# Allegro board ADRV9371-N_PCBZ_Layout_RevB.brd (continued)
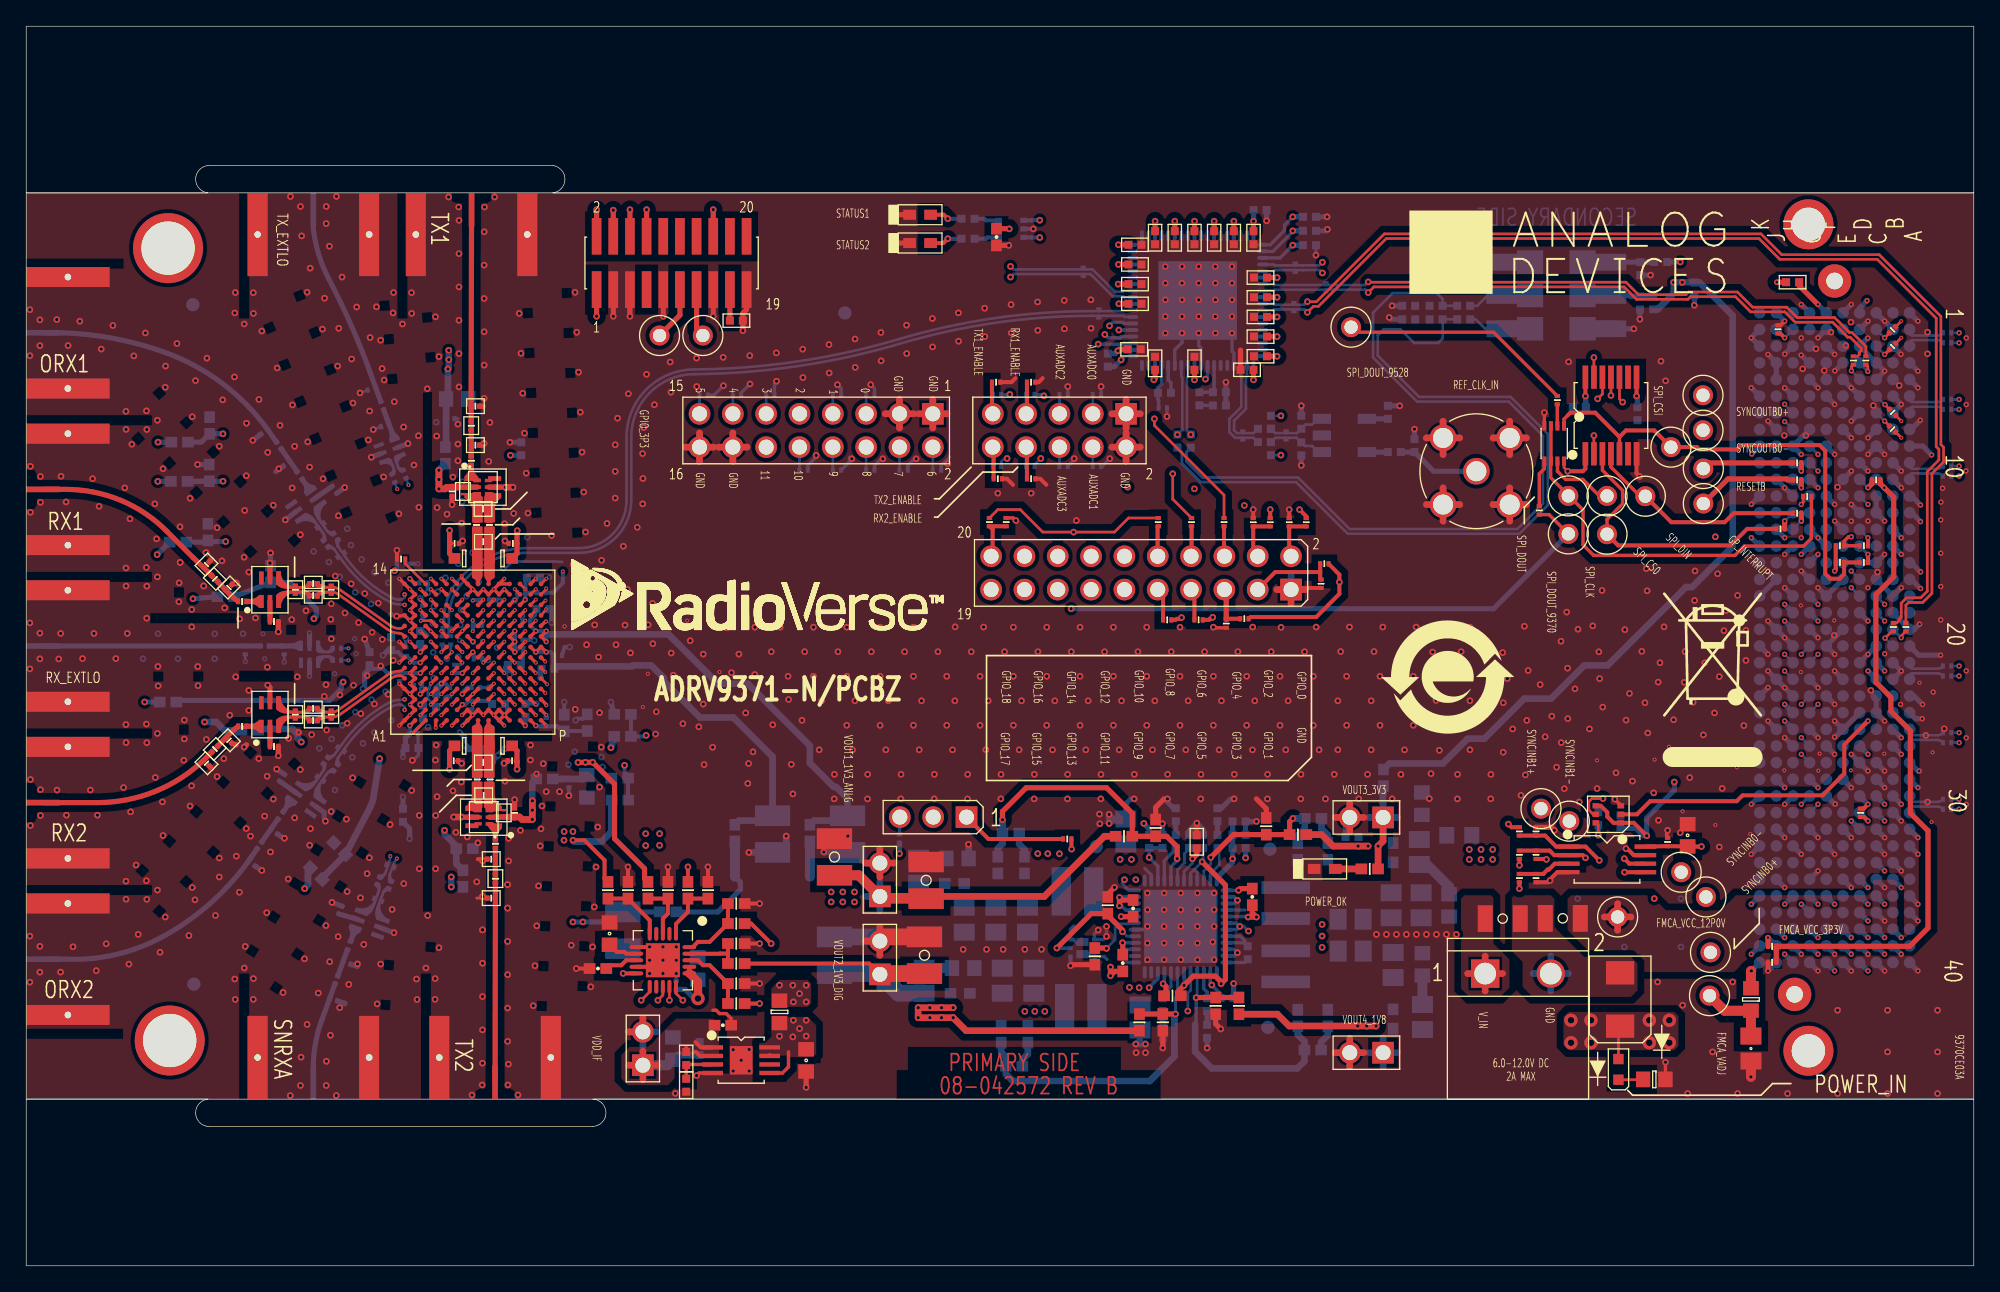
[diagram p0: board, top side]
## Routing (per net, layer and track width the routed paths; a pad name or vN(x,y) marks a point on that pad's centre or on a via; arc(x,y) is an arc through that point) (continued)
  BOTTOM w0.203: C517.2 v2(147.32,65.28)
UNNAMED_6_AD9370V2_I832_SERDO_3: length 127
  TOP w0.203: U101.P5 v6(39.7,44.32)
  L10_SIG w0.091: v6(39.7,44.32) 39.8,44.23 arc(39.96,44.12) 40.15,44.08 41.05,44.08 arc(47.4,43.31) 53.37,41.03 arc(58.24,39.17) 63.41,38.52 111.63,38.52 arc(120.66,40.32) 128.31,45.43 arc(130.63,46.95) 133.36,47.41 139.13,47.41 140.77,47.77 140.97,47.96 140.97,48.14 141.38,48.55 141.97,48.55 142.06,48.46 142.15,48.46 142.88,49.14 142.92,49.19 143.16,50.03 143.37,50.23 143.37,50.72 143.59,51.49 143.59,59.14 arc(144.28,62.59) 146.24,65.49 146.3,65.55 arc(146.6,65.75) 146.95,65.82 arc(147.16,65.89) v2(147.32,66.04)
  BOTTOM w0.203: C518.2 v2(147.32,66.04)
UNNAMED_6_AD9370V2_I832_SERDO_4: length 119.9
  TOP w0.203: 142.47,63.56 v6(142.91,63.12)
  TOP w0.254: v6(38.84,44.38) U101.N5
  L10_SIG w0.091: v6(142.91,63.12) arc(142.82,63.51) 142.47,63.71 arc(142.09,63.58) 141.93,63.22 arc(141.95,63.02) 142.01,62.83 142.21,62.36 arc(142.36,61.92) 142.4,61.46 142.4,54.5 arc(141.92,52.46) 140.58,50.86 arc(138.86,49.97) 136.95,49.65 134,49.65 arc(128.57,48.75) 123.73,46.14 arc(118.02,43.07) 111.63,42.01 63.26,42.01 arc(57.63,42.34) 52.1,43.38 arc(47.03,44.33) 41.89,44.65 39.25,44.65 arc(39.01,44.57) v6(38.84,44.38)
UNNAMED_6_AD9370V2_I832_SERDO_5: length 119.9
  TOP w0.203: 142.47,64.83 v6(142.91,64.39)
  TOP w0.254: v6(38.84,45.18) U101.N6
  L10_SIG w0.091: v6(142.91,64.39) arc(142.81,64.07) 142.49,63.96 arc(141.92,63.77) 141.68,63.22 arc(141.7,62.97) 141.77,62.73 141.98,62.26 arc(142.11,61.87) 142.15,61.46 142.15,54.5 arc(141.69,52.58) 140.42,51.07 arc(138.78,50.21) 136.94,49.91 134,49.91 arc(128.49,48.99) 123.57,46.34 arc(117.94,43.31) 111.63,42.26 63.26,42.26 arc(57.67,42.59) 52.16,43.62 arc(47.07,44.58) 41.89,44.9 39,44.9 arc(38.84,44.99) v6(38.84,45.18)
UNNAMED_6_AD9370V2_I832_SERDO_6: length 127.4
  TOP w0.254: v6(38.84,43.58) U101.N4
  L10_SIG w0.091: v2(147.32,60.96) arc(147.17,60.8) 146.97,60.72 arc(145.49,59.87) 144.91,58.27 144.91,46.7 arc(144.36,45.37) 143.03,44.82 133.57,44.82 arc(130.67,44.33) 128.13,42.84 arc(120.44,38.25) 111.63,36.65 61.58,36.65 arc(55.3,37.57) 49.64,40.45 arc(45.52,42.57) 40.95,43.3 39.05,43.3 arc(38.88,43.39) v6(38.84,43.58)
  BOTTOM w0.203: C522.2 v2(147.32,60.96)
UNNAMED_6_AD9370V2_I832_SERDO_7: length 127.4
  TOP w0.254: v6(38.84,42.78) U101.N3
  L10_SIG w0.091: v2(147.32,60.2) arc(147.24,60.41) 147.02,60.47 arc(145.69,59.71) 145.16,58.27 145.16,46.7 arc(144.54,45.19) 143.03,44.56 133.56,44.56 arc(130.75,44.09) 128.3,42.64 arc(120.53,38.01) 111.63,36.4 61.58,36.4 arc(55.22,37.33) 49.49,40.25 arc(45.45,42.33) 40.95,43.05 39.36,43.05 arc(39.06,42.98) v6(38.84,42.78)
  BOTTOM w0.203: C521.2 v2(147.32,60.2)
UNNAMED_6_AD9370V2_I832_SERDOUT: length 123.3
  TOP w0.203: U101.P7 v6(39.56,46.05)
  L10_SIG w0.091: v2(147.32,71.12) arc(147.19,70.93) 146.98,70.85 146.7,70.85 arc(144.61,70.34) 143.04,68.87 arc(141.64,67.23) 139.84,66.05 arc(137.86,64.32) 137.12,61.79 137.12,54.15 arc(136.63,52.96) 135.45,52.47 133.77,52.47 arc(126.65,51.45) 120.11,48.47 arc(116.05,46.63) 111.63,46 55.5,46 arc(52.96,46.04) 50.42,45.99 arc(45.35,45.83) 40.28,45.78 40.05,45.78 arc(39.77,45.85) v6(39.56,46.05)
  BOTTOM w0.203: C516.2 v2(147.32,71.12)
UNNAMED_6_CN20PV2_I813_N6: length 4.1
  TOP w0.394: P504.11 49.82,72.47 TP502.1
UNNAMED_6_CN20PV2_I813_N7: length 3.7
  TOP w0.394: TP501.1 51.09,71.39 P504.13
UNNAMED_6_CN20PV2_I813_N9: length 2.4
  TOP w0.394: R525.2 P504.17
UNNAMED_6_CN20PV2_I814_N1: length 71.8
  TOP w0.305: v1(88.06,49.41) 87.96,49.31 87.68,49.31 87.6,49.23 R519.2
  TOP w0.394: P504.2 v1(43.47,80.51)
  L10_SIG w0.114: v1(43.47,80.51) 44.04,81.07 44.98,81.07 45.4,80.64 45.4,80.2 49.92,75.68 49.92,62.02 51.95,59.99 77.73,59.99 82.2,55.52 86.6,55.52 87.47,54.64 87.47,50 v1(88.06,49.41)
UNNAMED_6_CN20PV2_I814_N2: length 70.4
  TOP w0.203: R521.2 74.05,57.64 75.76,57.64 77.48,55.93 v1(79.83,55.93) 82.94,55.93 84.02,57 R520.2
  TOP w0.394: P504.4 v1(44.74,80.47)
  L10_SIG w0.114: v1(44.74,80.47) 44.74,79.9 46.55,78.09 46.55,64.11 46.55,64.11 46.55,63.68 46.55,63.68 46.55,63.49 50.56,59.48 74.69,59.48 78.24,55.93 v1(79.83,55.93)
UNNAMED_6_CN20PV2_I814_N3: length 68.8
  TOP w0.305: v1(90.43,49.43) 90.41,49.43 90.3,49.31 90.22,49.31 90.14,49.23 89.67,49.23
  TOP w0.394: P504.6 v1(46.01,80.51)
  L10_SIG w0.114: v1(90.43,49.43) 90.06,49.8 90.06,54.4 88.29,56.18 83.45,56.18 79.01,60.62 56.53,60.62 55.13,62.02 55.13,65.83 53.86,67.1 53.86,73.45 47.51,79.8 46.71,79.8 v1(46.01,80.51)
UNNAMED_6_CN20PV2_I814_N4: length 56.5
  TOP w0.203: R523.2 87.39,58.43 v1(87.39,60.37)
  TOP w0.394: P504.8 v1(47.28,80.51)
  L10_SIG w0.114: v1(47.28,80.51) 49.73,80.51 62.26,67.97 77.63,67.97 80.02,65.58 80.02,62.1 81.75,60.37 v1(87.39,60.37)
UNNAMED_6_CN20PV2_I814_N8: length 52
  TOP w0.203: v1(85.99,64.56) 85.99,64.05 91.29,58.75 R524.2
  TOP w0.394: P504.16 v1(52.36,80.51)
  L10_SIG w0.114: v1(52.36,80.51) 59.8,73.07 69.61,73.07 72.78,69.9 78.24,69.9 82.05,66.09 84.46,66.09 v1(85.99,64.56)
UNNAMED_7_AD7291_I1067_DCAP: length 2.6
  TOP w0.305: C651.1 44.46,22.91 45.35,22.91 45.73,23.29 U601.8
UNNAMED_7_AD7291_I1067_VIN0: length 5.2
  TOP w0.305: R602.1 R603.1 52.09,22.91 51.58,22.91 51.2,23.29 U601.18
UNNAMED_7_AD7291_I1067_VIN1: length 4.5
  TOP w0.305: R604.2 53.48,23.8 ; 53.48,23.8 R605.2 ; 53.48,23.8 52.89,23.8 52.88,23.79 U601.19
UNNAMED_7_AD7291_I1067_VIN2: length 5.2
  TOP w0.305: U601.20 50.79,24.29 51.19,24.69 52.09,24.69 R606.2 R607.2
UNNAMED_7_AD7291_I1067_VIN3: length 4.6
  TOP w0.305: R609.2 R608.2 50.43,26.98 49.52,26.06 U601.1
UNNAMED_7_AD7291_I1067_VIN5: length 4.4
  TOP w0.305: R610.2 R611.2 48.91,26.85 48.52,26.46 U601.3
UNNAMED_7_AD7291_I1067_VIN7: length 4.9
  TOP w0.305: R612.2 R613.2 47.52,26.33 U601.5
UNNAMED_7_AD7291_I1067_VREF: length 2.3
  TOP w0.305: C650.1 45.01,23.92 45.6,23.92 45.74,23.79 U601.7
UNNAMED_7_AD9370V2_I936_VCLKVCO: length 1.2
  TOP w0.254: v2(38.04,41.18) U101.M1
  BOTTOM w0.305: C644.1 38.06,41.2 v2(38.04,41.18)
UNNAMED_7_AD9370V2_I936_VDDABB: length 10.6
  TOP w0.254: v2(31.64,44.38) U101.E5
  L12_PWR w0.394: v2(31.64,44.38) 31.38,44.12 31.38,42.34 v4(33.03,40.69) v4(33.41,40.31) v4(33.41,39.7)
  BOTTOM w0.305: v2(31.64,44.38) 31.99,44.36 C606.1
  BOTTOM w0.394: v4(33.41,39.7) v4(33.41,40.31) v4(33.03,40.69)
  BOTTOM w0.508: R614.1 33.7,39.4 v4(33.41,39.7) ; C604.1 31.25,43.99 v2(31.64,44.38)
UNNAMED_7_AD9370V2_I936_VDDARXR: length 7.6
  TOP w0.254: U101.B1 v2(29.24,41.18)
  L12_PWR w0.394: v4(28.71,38.76) 28.71,37.51 28.1,36.9 28.1,36.34 v3(28.71,35.73)
  BOTTOM w0.305: v2(29.24,41.18) 29.23,41.17 C605.1
  BOTTOM w0.394: v4(28.71,38.76) 28.71,39.28 C603.1 28.9,40.23 C605.1 ; R615.1 v3(28.71,35.73)
UNNAMED_7_AD9370V2_I936_VRXVCOL: length 1.2
  TOP w0.254: U101.C8 v2(30.04,46.78)
  BOTTOM w0.305: C645.1 30.03,46.78 v2(30.04,46.78)
UNNAMED_7_AD9370V2_I936_VSNRXVC: length 0.8
  TOP w0.254: v2(30.04,42.78) U101.C3
  BOTTOM w0.508: v2(30.04,42.78) 30.04,42.78 C646.1
UNNAMED_7_AD9370V2_I936_VTXVCOL: length 13.7
  TOP w0.254: U101.F13 v6(32.44,51.58)
  L10_SIG w0.305: v6(32.44,51.58) 32.78,51.91 33.24,51.91 33.64,52.31
  L10_SIG w0.508: v1(36.9,61.78) 36.9,61.07 34.05,58.21 34.05,52.71 33.64,52.31
  BOTTOM w0.394: v1(36.9,61.78) C647.1
UNNAMED_8_ADP125_I911_ADJ: length 3.1
  TOP w0.254: R740.2 R739.1 50.34,15.34 U702.3
UNNAMED_8_ADP5054_I118_BST1: length 2
  TOP w0.394: C713.1 83.46,26.61 v1(83.45,26.62)
  BOTTOM w0.203: U701.32 v1(83.45,26.62)
UNNAMED_8_ADP5054_I118_BST2: length 1.9
  TOP w0.394: C715.2 83.58,24.6 v1(83.56,24.62)
  BOTTOM w0.254: U701.28 v1(83.56,24.62)
UNNAMED_8_ADP5054_I118_BST3: length 2
  TOP w0.394: C717.1 92.53,28.75 v1(92.4,28.62)
  BOTTOM w0.254: U701.1 v1(92.4,28.62)
UNNAMED_8_ADP5054_I118_BST4: length 1.7
  BOTTOM w0.254: U701.12 92.86,23.12 C719.1
UNNAMED_8_ADP5054_I118_COMP1: length 2.8
  BOTTOM w0.254: R704.2 87.62,31.76 86.74,30.88 86.74,30.09 86.75,30.08 U701.40
UNNAMED_8_ADP5054_I118_COMP2: length 2.2
  BOTTOM w0.254: R707.2 86.63,20.66 87.25,21.28 U701.20
UNNAMED_8_ADP5054_I118_COMP3: length 2.8
  BOTTOM w0.203: U701.47 90.25,29.83 90.27,29.85 90.27,29.89 90.94,30.56 90.94,31.7 R708.2
UNNAMED_8_ADP5054_I118_COMP4: length 2.1
  BOTTOM w0.254: R711.2 90,20.87 89.75,21.12 U701.15
UNNAMED_8_ADP5054_I118_DL1: length 5.3
  TOP w0.394: v1(82.33,24.19) 82.31,24.22 R718.2
  BOTTOM w0.203: U701.31 83.99,26.12 83.94,26.06 83.3,26.06 82.99,25.76 82.99,24.85 v1(82.33,24.19)
  BOTTOM w0.254: v1(82.33,24.19) 82.31,24.22 Q701.5
UNNAMED_8_ADP5054_I118_DL2: length 8.9
  TOP w0.394: v1(83.55,25.46) 83.55,25.59 82.43,26.71 R719.2 81.17,26.84 v1(78.55,24.22)
  BOTTOM w0.203: U701.29 83.9,25.12 v1(83.55,25.46)
  BOTTOM w0.254: Q701.2 v1(78.55,24.22)
UNNAMED_8_ADP5054_I118_EN1: length 48.1
  L5_SIG w0.394: v1(90.36,21.4) 90.36,21.95 90.81,22.4 92.21,22.4 94.5,24.68 94.5,30.53 93.1,31.92 91.58,31.92 91.07,31.42 91.07,30.91 90.18,30.02 86.69,30.02 v1(85.59,31.13) 84.92,31.79 82.68,31.79 81.23,30.34 72.34,30.34 69.13,33.55 P702.2
  BOTTOM w0.254: C711.2 91.03,20.73 v1(90.36,21.4) 90.25,21.51 U701.14 ; U701.39 86.25,30.46 v1(85.59,31.13) R705.2 R706.1
UNNAMED_8_ADP5054_I118_EN2: length 51.8
  TOP w0.305: P702.1 73.33,32.53 R702.2
  TOP w0.394: v1(86.65,21.5) 86.87,21.29 86.87,20.73 R703.1
  L5_SIG w0.394: v1(86.65,21.5) 86.65,21.04 85.84,20.23 83.12,20.23 80.78,22.57 80.78,23.03 77.1,26.72 69.61,26.72 66.92,29.41 64.58,29.41 63.64,30.35 63.64,34.08 65.8,36.25 69.62,36.25 P702.1
  BOTTOM w0.254: U701.21 86.75,21.6 v1(86.65,21.5)
UNNAMED_8_ADP5054_I118_EN3: length 35.8
  L5_SIG w0.394: v1(91.95,31.03) 91.95,30.14 91.07,29.26 85.73,29.26 84.75,30.24 82.43,30.24 81.45,29.26 71.53,29.26 P702.3
  BOTTOM w0.203: 90.94,29.76 90.94,29.64 90.75,29.44 U701.48
  BOTTOM w0.254: P702.3 66.6,34.2 R712.1
  BOTTOM w0.394: 90.94,29.76 91.95,30.77 v1(91.95,31.03) R709.2 R710.1 C712.2
UNNAMED_8_ADP5054_I118_FB1: length 37.9
  TOP w0.394: v1(74.41,34) 74.41,34.63 76.21,36.44 82.35,36.44 83.9,34.89 83.91,34.89 84.3,34.49 R716.1 R714.1 86.92,32.74 87.72,31.94 87.72,31.08 87.72,31.08 v1(87.72,31.03)
  L5_SIG w0.394: v1(87.72,31.03) 87.72,31.03 87.56,31.03 85.78,32.81 75.59,32.81 v1(74.41,34)
  BOTTOM w0.254: v1(87.72,31.03) 87.72,30.88 87.25,30.4 U701.41
  BOTTOM w0.508: v1(74.41,34) R715.1 74.41,32.17 74.05,31.81 R717.1
UNNAMED_8_ADP5054_I118_FB2: length 25.6
  TOP w0.394: R723.1 R720.2 v1(87.59,19.19)
  BOTTOM w0.203: v1(87.59,19.19) 87.59,20.43 87.75,20.59 U701.19
  BOTTOM w0.508: v1(87.59,19.19) 87.52,19.11 87.52,15.96 85.64,14.08 75.2,14.08 74.66,14.62 R721.1 74.66,15.91 74.31,16.27 R722.1
UNNAMED_8_ADP5054_I118_FB3: length 13
  TOP w0.394: v1(90.28,31.13) 92.02,32.87 R724.2 R727.1 96.29,33.85 v1(96.55,34.1)
  BOTTOM w0.203: U701.46 89.75,30.08 90.28,30.62 v1(90.28,31.13)
  BOTTOM w0.508: R726.1 96.91,32.78 97.45,33.31 R725.1 v1(96.55,34.1)
UNNAMED_8_ADP5054_I118_FB4: length 21.3
  TOP w0.394: v1(89.17,20.43) 89.18,20.45 R728.2 92.43,20.45 R731.1
  BOTTOM w0.203: v1(89.17,20.43) 89.25,20.52 U701.16
  BOTTOM w0.254: 89.09,18.4 89.17,18.48 v1(89.17,20.43)
  BOTTOM w0.508: R730.1 96.91,17.61 97.42,17.11 R729.1 97.42,15.58 96.89,15.05 90.36,15.05 89.09,16.32 89.09,18.4
UNNAMED_8_ADP5054_I118_PWRGD: length 31.5
  L5_SIG w0.508: v1(88.53,19.42) 87.39,20.56 87.39,21.76 86.62,22.53 84.59,22.53 83.63,23.48 81.6,23.48 77.18,27.91 71.05,27.91 67.54,31.42 v1(66.56,31.42)
  BOTTOM w0.203: U701.17 88.75,21.01 88.53,20.79 v1(88.53,19.42)
  BOTTOM w0.394: v1(66.56,31.42) R712.2
UNNAMED_8_ADP5054_I118_RT: length 2.8
  BOTTOM w0.203: U701.42 87.75,30.19 88.28,30.72 88.28,30.8 88.28,30.8 88.28,31.42 88.63,31.77 R713.1
UNNAMED_8_ADP5054_I118_SW11: length 6.4
  TOP w0.394: v1(83.32,27.44) v1(83.32,28.08) 83.53,27.88 C713.2
  BOTTOM w0.254: v1(83.32,28.08) 83.36,28.12 U701.35 ; U701.33 83.8,27.12 83.48,27.44 v1(83.32,27.44) ; Q701.PAD2 80,24.68 79.81,24.87 Q701.3 79.6,25.65 79.84,25.9
UNNAMED_8_ADP5054_I118_SW21: length 6.2
  TOP w0.394: C715.1 82.97,22.44 v1(82.64,22.11) v1(82.64,22.77)
  BOTTOM w0.254: 82.38,23.36 82.17,23.57 Q701.6 ; Q701.6 81.42,22.85 ; Q701.6 81.11,23.57 80.93,23.75 Q701.PAD1 ; U701.27 83.89,24.12 83.58,23.81 ; U701.25 83.86,23.12
UNNAMED_8_ADP5054_I118_SW31: length 4.7
  TOP w0.394: v1(93.13,26.58) v1(93.76,26.58) 93.45,26.9 C717.2
  BOTTOM w0.254: U701.4 92.87,27.12 ; U701.5 93.09,26.62 v1(93.13,26.58)
UNNAMED_8_ADP5054_I118_SW41: length 3.3
  BOTTOM w0.254: C719.2 93.07,24.38 ; 93.07,24.38 92.83,24.62 U701.9 ; 93.07,24.38 93.08,24.38 ; U701.8 92.53,25.12 92.9,24.75
UNNAMED_8_ADP5054_I118_VDD: length 2.9
  TOP w0.394: v1(88.89,31.03) 89.22,31.36 C703.2
  BOTTOM w0.203: v1(88.89,31.03) 88.89,30.7 88.25,30.06 U701.43
UNNAMED_8_CAP_I809_N2: length 2.1
  BOTTOM w0.762: C724.2 68.02,31.05 R732.1
UNNAMED_8_CAP_I814_N2: length 2.1
  BOTTOM w0.762: R733.1 68.45,22.69 C727.2
UNNAMED_8_CAP_I872_N2: length 2.2
  BOTTOM w0.762: R737.1 C731.2
UNNAMED_8_CAP_I936_N2: length 3.5
  BOTTOM w0.762: R734.1 108.45,28.9 106.75,30.59 C729.2
UNNAMED_8_CAP_I967_N1: length 2
  BOTTOM w0.508: C720.1 99.2,17.56 98.69,17.06 R729.2
UNNAMED_8_CAP_I970_N1: length 2.1
  BOTTOM w0.508: R725.2 98.72,33.31 99.2,32.83 C718.1
UNNAMED_8_CAP_I971_N1: length 2
  BOTTOM w0.508: R721.2 75.93,15.74 76.34,16.14 C716.1
UNNAMED_8_CAP_I974_N1: length 2
  BOTTOM w0.508: C714.1 76.09,31.74 75.68,32.14 R715.2
UNNAMED_8_CAP_I985_N2: length 1
  BOTTOM w0.381: C704.2 R704.1
UNNAMED_8_CAP_I986_N2: length 1
  BOTTOM w0.381: C706.2 R707.1
UNNAMED_8_CAP_I989_N2: length 1
  BOTTOM w0.394: R708.1 C708.2
UNNAMED_8_CAP_I990_N2: length 1
  BOTTOM w0.394: R711.1 C710.2
UNNAMED_8_CN2P_I1027_N1: length 5.3
  TOP w0.508: P701.1 112.53,22.27 ; P701.1 109.86,22.27 ; P701.1 111.2,20.94 ; P701.1 111.2,23.61
UNNAMED_8_DIOLED_I983_N: length 1.9
  TOP w0.203: R701.2 123.21,14.18 DS701.C
UNNAMED_8_DIOLED_I1004_P: length 2
  TOP w0.508: R735.2 DS702.A
UNNAMED_9_CAP_I337_N1: length 1.5
  TOP w0.203: v2(142.91,47.88) 142.91,48.02 C801.1
  BOTTOM w0.203: v2(142.91,47.88) P801.B20
UNNAMED_9_CAP_I338_N1: length 1.7
  TOP w0.203: C802.1 142.2,48.37 v2(141.67,47.84)
  BOTTOM w0.203: P801.B21 141.68,47.84
  BOTTOM w0.394: 141.68,47.84 v2(141.67,47.84)
UNNAMED_9_CAP_I852_N2: length 1.5
  TOP w0.203: C806.2 139.12,68.54 v2(139.12,68.22) 139.1,68.24
  BOTTOM w0.203: v2(139.12,68.22) 139.74,67.6 P801.D5
UNNAMED_9_CAP_I853_N2: length 1.5
  TOP w0.203: v2(140.36,68.17) 140.36,68.55 C805.2
  BOTTOM w0.203: P801.D4 139.74,68.8 v2(140.36,68.17)
UNNAMED_9_CN400PAK_I293_N2: length 1.5
  TOP w0.305: R801.2 133.69,71.07 v2(134.02,70.74)
  BOTTOM w0.203: v2(134.02,70.74) P801.H2
UNNAMED_9_CN400PAK_I293_N10: length 1.5
  TOP w0.394: R802.2 v2(135.29,60.58)
  BOTTOM w0.203: P801.H10 v2(135.29,60.58)
UNNAMED_9_CN400PAK_I293_N11: length 1.5
  TOP w0.394: R803.2 v2(135.29,59.31)
  BOTTOM w0.203: v2(135.29,59.31) P801.H11
UNNAMED_9_CN400PAK_I293_N13: length 1.5
  TOP w0.394: R804.2 v2(134.02,56.77)
  BOTTOM w0.203: v2(134.02,56.77) P801.H13
UNNAMED_9_CN400PAK_I293_N14: length 1.5
  TOP w0.394: R805.2 v2(135.29,56.77)
  BOTTOM w0.203: P801.H14 v2(135.29,56.77)
UNNAMED_9_CN400PAK_I296_N12: length 1.6
  TOP w0.203: v2(135.29,58.04) 135.43,58.18 R806.2
  BOTTOM w0.203: P801.G12 v2(135.29,58.04)
UNNAMED_9_CN400PAK_I297_N18: length 75.8
  L8_SIG w0.114: v2(141.64,50.42) 137.59,50.42 136.84,51.17 136.21,51.17 135.23,52.15 106.91,52.15 96.66,62.4 86.75,62.4 85.54,63.61 75.57,63.61 74.94,62.98 74.94,61.72 v1(74.76,61.54)
  BOTTOM w0.203: v2(141.64,50.42) P801.C18 ; R816.2 74.3,61.29 74.56,61.54 v1(74.76,61.54)
UNNAMED_9_CN400PAK_I297_N19: length 71.5
  L8_SIG w0.114: v1(77.33,61.54) 77.86,61.01 94.5,61.01 104.66,50.85 125.49,50.85 126.12,50.21 126.94,50.21 126.95,50.2 127.37,50.2 127.38,50.21 128.15,50.21 128.5,50.56 130.09,50.56 130.93,49.72 141.07,49.72 v2(141.64,49.15)
  BOTTOM w0.203: v2(141.64,49.15) P801.C19 ; v1(77.33,61.54) 76.84,61.06 R817.2
UNNAMED_9_CN400PAK_I298_N11: length 1.6
  TOP w0.394: v2(140.37,59.31) 140.68,59.61 R810.2
  BOTTOM w0.203: P801.D11 v2(140.37,59.31)
UNNAMED_9_CN400PAK_I298_N14: length 1.5
  TOP w0.305: R811.2 140.38,55.49 v2(140.37,55.5)
  BOTTOM w0.203: P801.D14 v2(140.37,55.5)
UNNAMED_9_CN400PAK_I298_N15: length 1.5
  TOP w0.305: R812.2 140.38,54.22 v2(140.37,54.23)
  BOTTOM w0.203: P801.D15 v2(140.37,54.23)
UNNAMED_9_CN400PAK_I298_N17: length 72.3
  L8_SIG w0.114: v1(74.96,66.42) 76.16,67.61 83.07,67.61 83.83,66.85 96.66,66.85 97.72,65.78 97.72,65.76 108.76,54.72 137.34,54.72 v2(139.1,52.96)
  BOTTOM w0.203: v2(139.1,52.96) P801.D17 ; R813.2 v1(74.96,66.42)
UNNAMED_9_CN400PAK_I298_N18: length 69.3
  L8_SIG w0.114: v1(77.56,66.32) 77.59,66.34 95.26,66.34 107.96,53.64 123.26,53.64 123.27,53.65 123.7,53.65 123.71,53.64 136.28,53.64 138.23,51.69 v2(139.1,51.69)
  BOTTOM w0.203: v2(139.1,51.69) P801.D18 ; v1(77.56,66.32) 77.46,66.42 R814.2
UNNAMED_9_CN400PAK_I299_N1: length 3.2
  TOP w0.394: v2(136.56,73.28) 135.12,74.72 R807.2
  BOTTOM w0.394: P801.F1 v2(136.56,73.28)
UNNAMED_9_ICM24CXX_I809_E2: length 4.1
  TOP w0.305: R822.1 R823.2 115.63,29.87 115.97,30.21 116.07,30.21 116.5,30.65 U801.3
VCON: length 5.5
  BOTTOM w0.394: R407.2 123.62,76.52 123.61,76.5 C404.1 Y402.1 Y403.1 Y401.1
VCXO_CTRL: length 42
  L5_SIG w0.114: v1(126.07,76.52) 111.53,76.52 103.19,68.17 90.46,68.17 v1(89.88,67.59)
  BOTTOM w0.254: U401.8 90.04,68.13 90.04,67.75 v1(89.88,67.59)
  BOTTOM w0.394: R407.1 v1(126.07,76.52)
VCXO_IN+: length 15.8
  L10_SIG w0.091: v1(88.76,63.36) 88.42,63.01 88.42,62.76 88.51,62.66 89.83,62.66 90.33,63.17 95.3,63.17 95.63,63.49 v1(95.63,64.79)
  BOTTOM w0.203: v1(88.76,63.36) 88.47,63.65 88.47,67.71 88.54,67.78 88.54,68.07 U401.11 ; C409.2 v1(95.63,64.79)
VCXO_IN-: length 15.8
  L10_SIG w0.091: v1(87.74,63.36) 88.16,62.94 88.16,62.65 88.4,62.41 89.93,62.41 90.43,62.91 95.36,62.91 95.63,62.65 v1(95.63,61.79)
  BOTTOM w0.203: C407.2 v1(95.63,61.79) ; U401.12 88.04,68 88.04,67.78 88.11,67.71 88.11,63.73 v1(87.74,63.36)
VOUT1_1V3_ANLG: length 81.5
  TOP w0.305: v1(41.67,32.44) 42.55,32.44 44.08,30.91 44.08,29.52 R612.1
  TOP w0.508: R716.2 82.18,32.74 77.6,28.16 P703.1
  TOP w0.762: C602.1 63.45,29.76 P703.1 65.23,27.99 C601.1
  L8_SIG w0.508: P703.1 66.14,28.16 ; P703.1 65.06,29.24 ; P703.1 63.98,28.16 ; P703.1 65.06,27.08
  L12_PWR w0.394: v3(29.22,32.56) 29.47,32.3 29.47,30.7 29.31,30.54 29.31,29.99 29.47,29.83 29.47,27.73
  BOTTOM w0.305: v1(41.67,32.44) 41.78,32.33 ; v3(41.87,41.58) 42,41.7 42.43,41.7 E603.1
  BOTTOM w0.394: E611.1 v1(9.98,54.21) ; E612.1 v1(10.04,62.78) ; v3(35.57,38.41) 35.57,38.53 v3(35.95,38.91) v3(36.45,39.41) ; E610.1 v1(10.03,59.79) ; 54.01,29.67 54.43,29.25 54.43,28.69 52.71,26.97 R601.1 ; E608.1 v1(12.71,50.85) ; 28.71,33.84 29.22,33.33 v3(29.22,32.56) ; E607.1 v1(9.03,42.97)
  BOTTOM w0.508: v1(13.6,41.45) 14.49,41.45 15.12,40.81 E605.1 ; v1(32.39,29.64) v1(32.39,28.88) ; P703.1 66.14,28.16 ; P703.1 65.06,27.08 ; P703.1 65.06,29.24 ; P703.1 63.98,28.16 ; 41.76,32.33 43.85,32.33 44.6,33.08 E606.1 ; v1(21.22,28.75) 21.47,29.06 21.47,29.67 21.47,30.16 E609.1 ; R614.2 v3(35.57,38.41) ; E604.1 v1(44.56,39.49)
  BOTTOM w0.762: E601.1 54.01,29.67 ; E613.1 59.73,29.67
  vias: v1(40.99,32.44) v1(41,33.1) v1(41.67,33.1) v1(61.35,28.49) v1(61.35,27.73) v1(62.24,28.49) v1(62.24,27.73) v1(63.13,28.49) v1(63.13,27.73)
VOUT2_1V3_DIG: length 110
  TOP w0.254: v2(37.24,46.78) U101.L8 v2(37.24,47.58) U101.L9 v2(37.24,48.38)
  TOP w0.305: P704.1 64.24,23.04 R604.1
  TOP w0.508: R723.2 71.64,17.92 v1(70.65,18.91) v1(69.76,18.91) v1(68.87,18.91) v1(67.98,18.91) v1(67.98,19.67) v1(68.87,19.67) v1(69.76,19.67) v1(70.65,19.67)
  TOP w1.27: P704.1 65.12,22.27 C638.1
  L5_SIG w0.508: 65.06,21.13 P704.1 66.14,22.21
  L5_SIG w1.905: v1(48.27,32.94) v1(47.21,32.94) v1(47.21,32.03) 47.74,32.56 51.95,32.56 55.25,29.26 56.52,29.26 63.57,22.21 P704.1
  L8_SIG w0.508: 65.06,21.13 P704.1 ; P704.1 66.14,22.21 ; P704.1 65.06,23.29 ; P704.1 63.98,22.21
  L12_PWR w0.635: v2(37.24,47.58) v2(37.24,48.38)
  L12_PWR w1.016: v2(37.24,47.58) v2(37.24,46.78) 38.25,45.77 40.27,45.77
  L12_PWR w1.27: 40.27,45.77 41.16,44.88 46.23,44.88 48.9,42.21 48.9,40.31 49.16,40.05
  L12_PWR w1.905: v1(48.27,32.94) 49.16,33.83 49.16,40.05 ; v1(48.27,32.94) v1(48.27,32.05) 48.25,32.03 v1(47.21,32.03) v1(47.21,32.94) v1(48.27,32.94)
  BOTTOM w0.305: v2(37.24,48.38) v2(37.24,47.58) v2(37.24,46.78) 37.55,47.08 C637.1 37.86,45.98 C636.1
  BOTTOM w0.508: 65.06,21.13 P704.1 66.14,22.21
  BOTTOM w1.27: C639.1 65,22.27 P704.1 66.5,20.78 C727.1
VOUT3_3V3: length 117.9
  TOP w0.254: v2(29.24,52.38) U101.B14
  TOP w0.305: R608.1 v1(50.43,30.4)
  TOP w0.394: v2(133.42,74.98) R807.1
  TOP w0.508: P705.1 103.42,32.37 v1(103.04,31.99) R735.1 ; R727.2 98.73,32.87 99.61,31.99 v1(101.51,31.99) v1(102.27,31.99)
  L3_PWR w0.508: P705.1 103.42,35.26 ; P705.1 104.5,34.18 ; P705.1 102.34,34.18 ; P705.1 103.42,33.1
  L10_SIG w0.203: v1(50.43,30.4) 51.33,29.51 55.38,29.51 59.45,25.45 v1(59.45,21.38)
  L12_PWR w0.394: v2(133.42,74.98) 133.99,74.98 135.09,73.88 135.54,73.88 135.9,73.53 135.9,73.07 139.76,69.21 139.76,67.18 140.98,65.96 140.98,44.75 138.36,42.13 136.31,42.13 134.69,40.51 134.69,40.07 130.01,35.39 122.27,35.39 120.53,37.13 115.07,37.13 114.46,36.52 111.28,36.52 106.76,31.99 v1(103.04,31.99) v1(102.27,31.99) v1(101.51,31.99)
  BOTTOM w0.305: v2(29.24,52.38) 29.56,52.05 C641.1
  BOTTOM w0.508: E706.1 103.45,35.94 103.39,35.89 103.39,35.3 103.42,35.27 P705.1 ; 102.34,34.18 P705.1 ; P705.1 104.5,34.18 ; P705.1 103.42,33.1
  vias: v1(57.41,21.38) v1(58.43,21.38) v1(58.47,20.11) v1(58.94,20.75) v1(59.45,20.11)
VOUT4_1V8: length 87.9
  TOP w0.203: C315.1 37.35,38.48 ; v5(30.08,49.18) 30.84,49.18
  TOP w0.254: 30.84,49.18 U101.D10
  TOP w0.394: 32.27,55 32.27,54.29 L307.2 ; 32.27,55 v1(32.27,56.05) ; 32.27,55 C307.1 ; v1(37.41,37.85) 37.41,38.41 ; 37.41,38.41 37.41,39.26 L315.2 ; 37.41,38.41 37.35,38.48 ; R610.1 47.13,29.52 47.13,30.27 44.84,32.56 44.84,36.72 v1(43.18,38.38) 43.17,38.38 v1(42.62,38.38) 42.61,38.37 v1(42.06,38.37) ; v1(37.42,56.04) 37.41,56.02 C308.1 37.41,54.29 L308.1 ; v1(32.27,37.85) C316.1 32.27,39.26 L316.1
  TOP w0.508: v1(102.88,18.28) v1(102.17,18.28) v1(101.49,18.28) 96.26,18.28 95.36,19.18 R731.2
  L3_PWR w0.203: v5(30.08,49.18) 29.66,48.76 28.02,48.76
  L3_PWR w0.305: v1(37.42,56.04) 37.39,56.04 37.26,55.91 32.41,55.91 v1(32.27,56.05)
  L3_PWR w0.394: v1(37.41,37.85) 36.97,37.85 36.76,37.64 32.48,37.64 v1(32.27,37.85)
  L3_PWR w0.508: 102.34,16.24 P706.1 ; P706.1 103.42,15.16 ; P706.1 103.42,17.32 ; P706.1 104.5,16.24
  L3_PWR w0.762: 34.81,37.64 34.81,33.26 36.32,31.75 36.44,31.75 36.46,31.73 37.79,31.73 38.87,30.65 ; 33.41,68.63 33.92,68.12 33.92,58.21 34.81,57.32 34.81,55.91
  BOTTOM w0.305: v5(30.08,49.18) 30.22,49.32 C640.1
  BOTTOM w0.508: 42.68,37.45 C325.1 42.44,37.11 C326.1 40.83,37.11 40.83,37.11 40.14,37.11 ; 32.14,68.36 v1(32.14,68.36) ; 32.14,68.36 32.14,66.21 C320.1 C321.1 32,62.45 L340.1 ; 32.14,68.36 32.2,68.42 32.2,69.07 ; 32.2,69.07 v1(32.2,69.78) ; 32.2,69.07 v1(32.21,69.07) ; P706.1 104.5,16.24 ; P706.1 102.34,16.24 ; P706.1 103.42,17.32 ; P706.1 103.42,15.16

## Copper pours and planes (outline as drawn; the poured copper is in the pictures)
AGND on TOP: 0,12.7 0,33.81 0.62,33.81 0.83,34.2 0.82,36.41 0.62,36.8 0,36.8 0,57.69 0.62,57.69 0.83,58.07 0.82,60.29 0.62,60.67 0,60.68 0,81.79 32.45,81.79 32.45,81.16 32.83,80.96 35.05,80.97 35.43,81.17 35.44,81.79 148.44,81.79 148.44,12.7 37.23,12.7 37.23,13.32 36.84,13.53 34.63,13.52 34.24,13.32 34.24,12.7 ; 8 cut-outs
AGND on BOTTOM: 0,12.7 0,21.87 0.58,21.87 0.79,22.26 0.78,24.48 0.58,24.86 0,24.86 0,45.75 0.58,45.75 0.79,46.13 0.78,48.35 0.58,48.73 0,48.74 0,69.63 0.58,69.63 0.79,70.01 0.78,72.23 0.58,72.61 0,72.61 0,81.79 20.39,81.79 20.39,81.21 20.77,81 22.99,81.01 23.37,81.21 23.38,81.79 148.44,81.79 148.44,12.7 23.38,12.7 23.38,13.28 22.99,13.49 20.77,13.48 20.39,13.28 20.39,12.7 ; 7 cut-outs
AGND on L2_GND: 0,12.7 0,81.79 148.44,81.79 148.44,12.7 ; 2 cut-outs
AGND on L3_PWR: 0,12.7 0,81.79 148.44,81.79 148.44,12.7 ; 1 cut-out
AGND on L4_GND, L6_GND, L9_GND, L11_GND, L12_PWR, L13_GND: 0,12.7 0,81.79 148.44,81.79 148.44,12.7
AGND on L5_SIG: 0,12.7 0,81.79 148.44,81.79 148.44,12.7 ; 31 cut-outs
AGND on L7_SIG: 0,12.7 0,81.79 148.44,81.79 148.44,12.7 ; 17 cut-outs
AGND on L8_SIG: 0,12.7 0,81.79 148.44,81.79 148.44,12.7 ; 18 cut-outs
AGND on L10_SIG: 0,12.7 0,81.79 148.44,81.79 148.44,12.7 ; 12 cut-outs
VDD_IF on TOP: 50.75,15.91 49.92,15.92 49.41,15.41 49.41,14.27 48.9,13.76 45.86,13.76 45.35,14.27 45.35,16.05 45.98,16.68 47.38,16.68 49.54,18.84 52.71,18.84 52.84,18.72 52.84,17.48 52.81,17.48 52.81,15.98 52.71,15.88 51.62,15.88 51.49,16.01 50.78,16.01 50.75,15.98
